# KiCad board AOML_AB_3.0_reorganized-v3.kicad_pcb (continued)
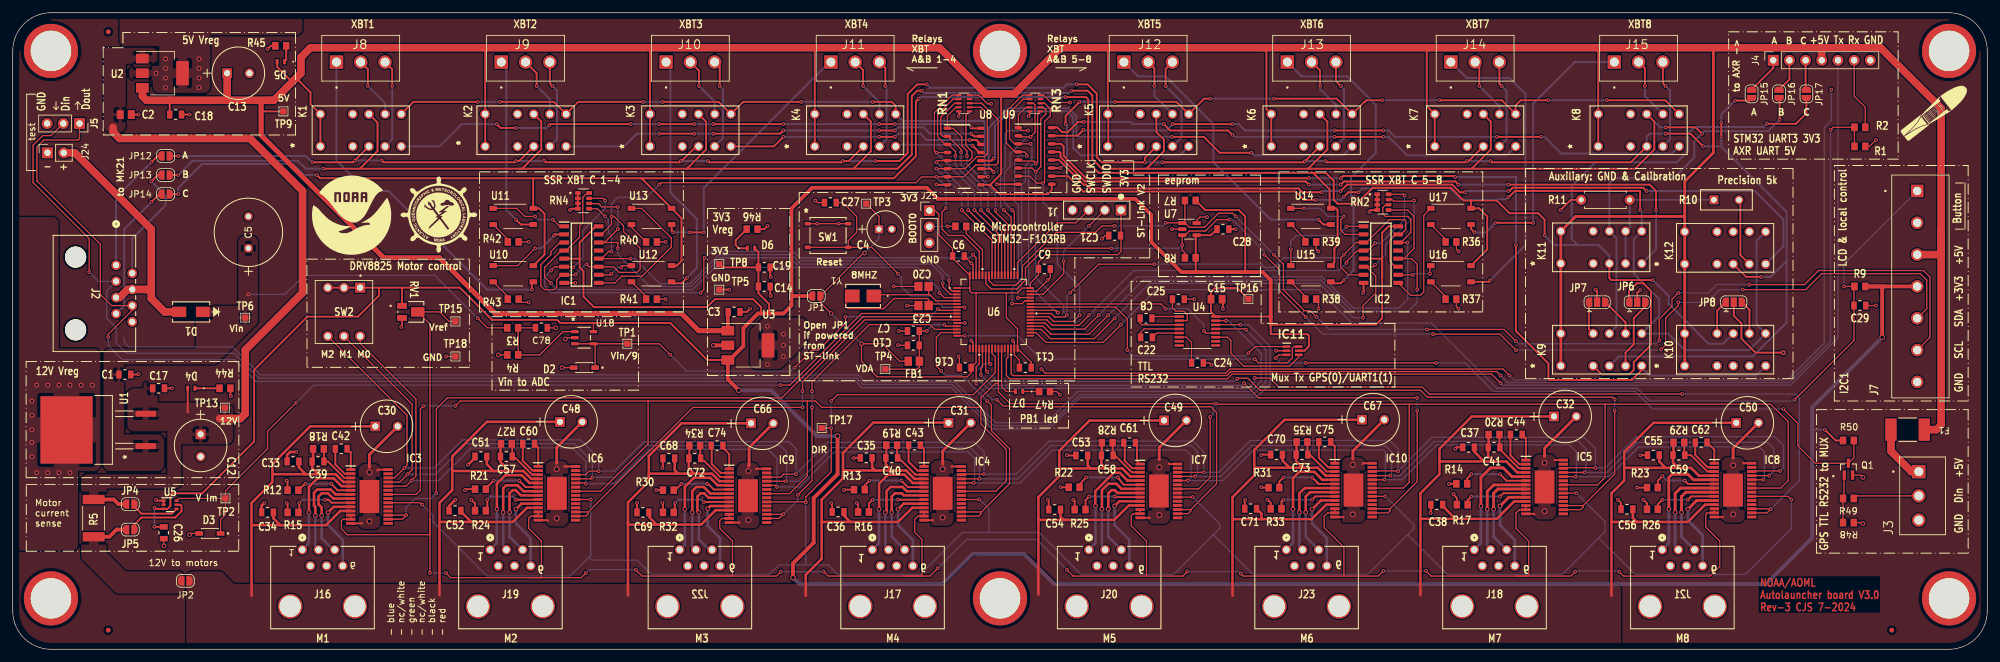
[diagram p0: board, top side]
## Copper pours and planes (outline as drawn; the poured copper is in the pictures) (continued)
GND on Top: 117.2,29.3 117.2,19 113.7,19 113.7,29.3
GND on Top: 117.86,52.1 115.75,50.15 115.75,44 120.5,44 124.7,48.05 124.7,52.1
GND on Top: 242.3,30.6 242.3,20.4 238.7,20.4 238.7,30.6
GND on Top: 181.7,30 181.7,19.7 178.2,19.7 178.2,30
GND on Bottom: 0,100 310,100 310,0 0,0
(no net) on Top: 0,100 310,100 310,0 0,0
Vmotor_out on Top: 27.25,12.25 27.25,0 252.5,0 252.5,9.75 252,10.25 164,10.25 159.5,14.75 151,14.75 146.5,10.25 34.75,10.25 32.75,12.25
Net-(JP2-B) on Top: 10.75,18.5 14.75,18.5 14.75,15.25 17.75,12.25 27,12.25 27,8.75 16.25,8.75 10.75,14.25

## Text on the board
User.Comments: 5V track 1.2mm >> 2.7A max | GND line to contain Tx/Rx line EMI | tx2-l2-5v relay height=7mm / cui connector height=9.2 mm | 12V track min width 5A max | Stepper connection / 1- RED * (A) / 2- White / 3- Black (A) / 4- White / 5- Green (B) / 6- Blue * (B) | track capacity: / 0.2 mm 0.7A max / 0.4 mm 1.2A max / 0.6 mm 1.6A max / 0.8 mm 2.0A max / 1.0 mm 2.3A max
Top: NOAA/AOML / Autolauncher board V3.0 / Rev-3 CJS 7-2024
F.Silkscreen: Motor / current / sense | 12V to motors | test | - blue / - nc/white / - green / - nc/white / - black / - red | A | B | C | V Im | 12V | Vin | 5V | M2 M1 M0 | GND | Vref | Vin/9 | 3V3 | Open JP1 / if powered / from / ST-link | DIR | Reset | 8MHZ | VDA | Relays / XBT / A&B 1-4 | Relays / XBT / A&B 5-8 | to MK21 | BOOT0 | ST-Link V2 | to AXR -> | 12V Vreg | 5V Vreg | DRV8825 Motor control | XBT1 | Vin to ADC | XBT2 | SSR XBT C 1-4 | XBT3 | 3V3 / Vreg | XBT4 | Microcontroller / STM32-F103RB | PB1 led | XBT5 | TTL / RS232 | eeprom | XBT6 | SSR XBT C 5-8 | XBT7 | Auxiliary: GND & Calibration | XBT8 | STM32 UART3 3V3 / AXR UART 5V | M1 | M2 | M3 | M4 | M5 | Mux Tx GPS(0)/UART1(1) | M6 | M7 | M8 | Precision 5k | +5V | Tx | Rx | GPS TTL RS232 to MUX | LCD & local control | I2C1 | + | Din | Dout | SWCLK | SWDIO | Button | +3V3 | SDA | SCL | -
